# Altium PCB MotionController_DriverV1.1.PcbDoc (continued)
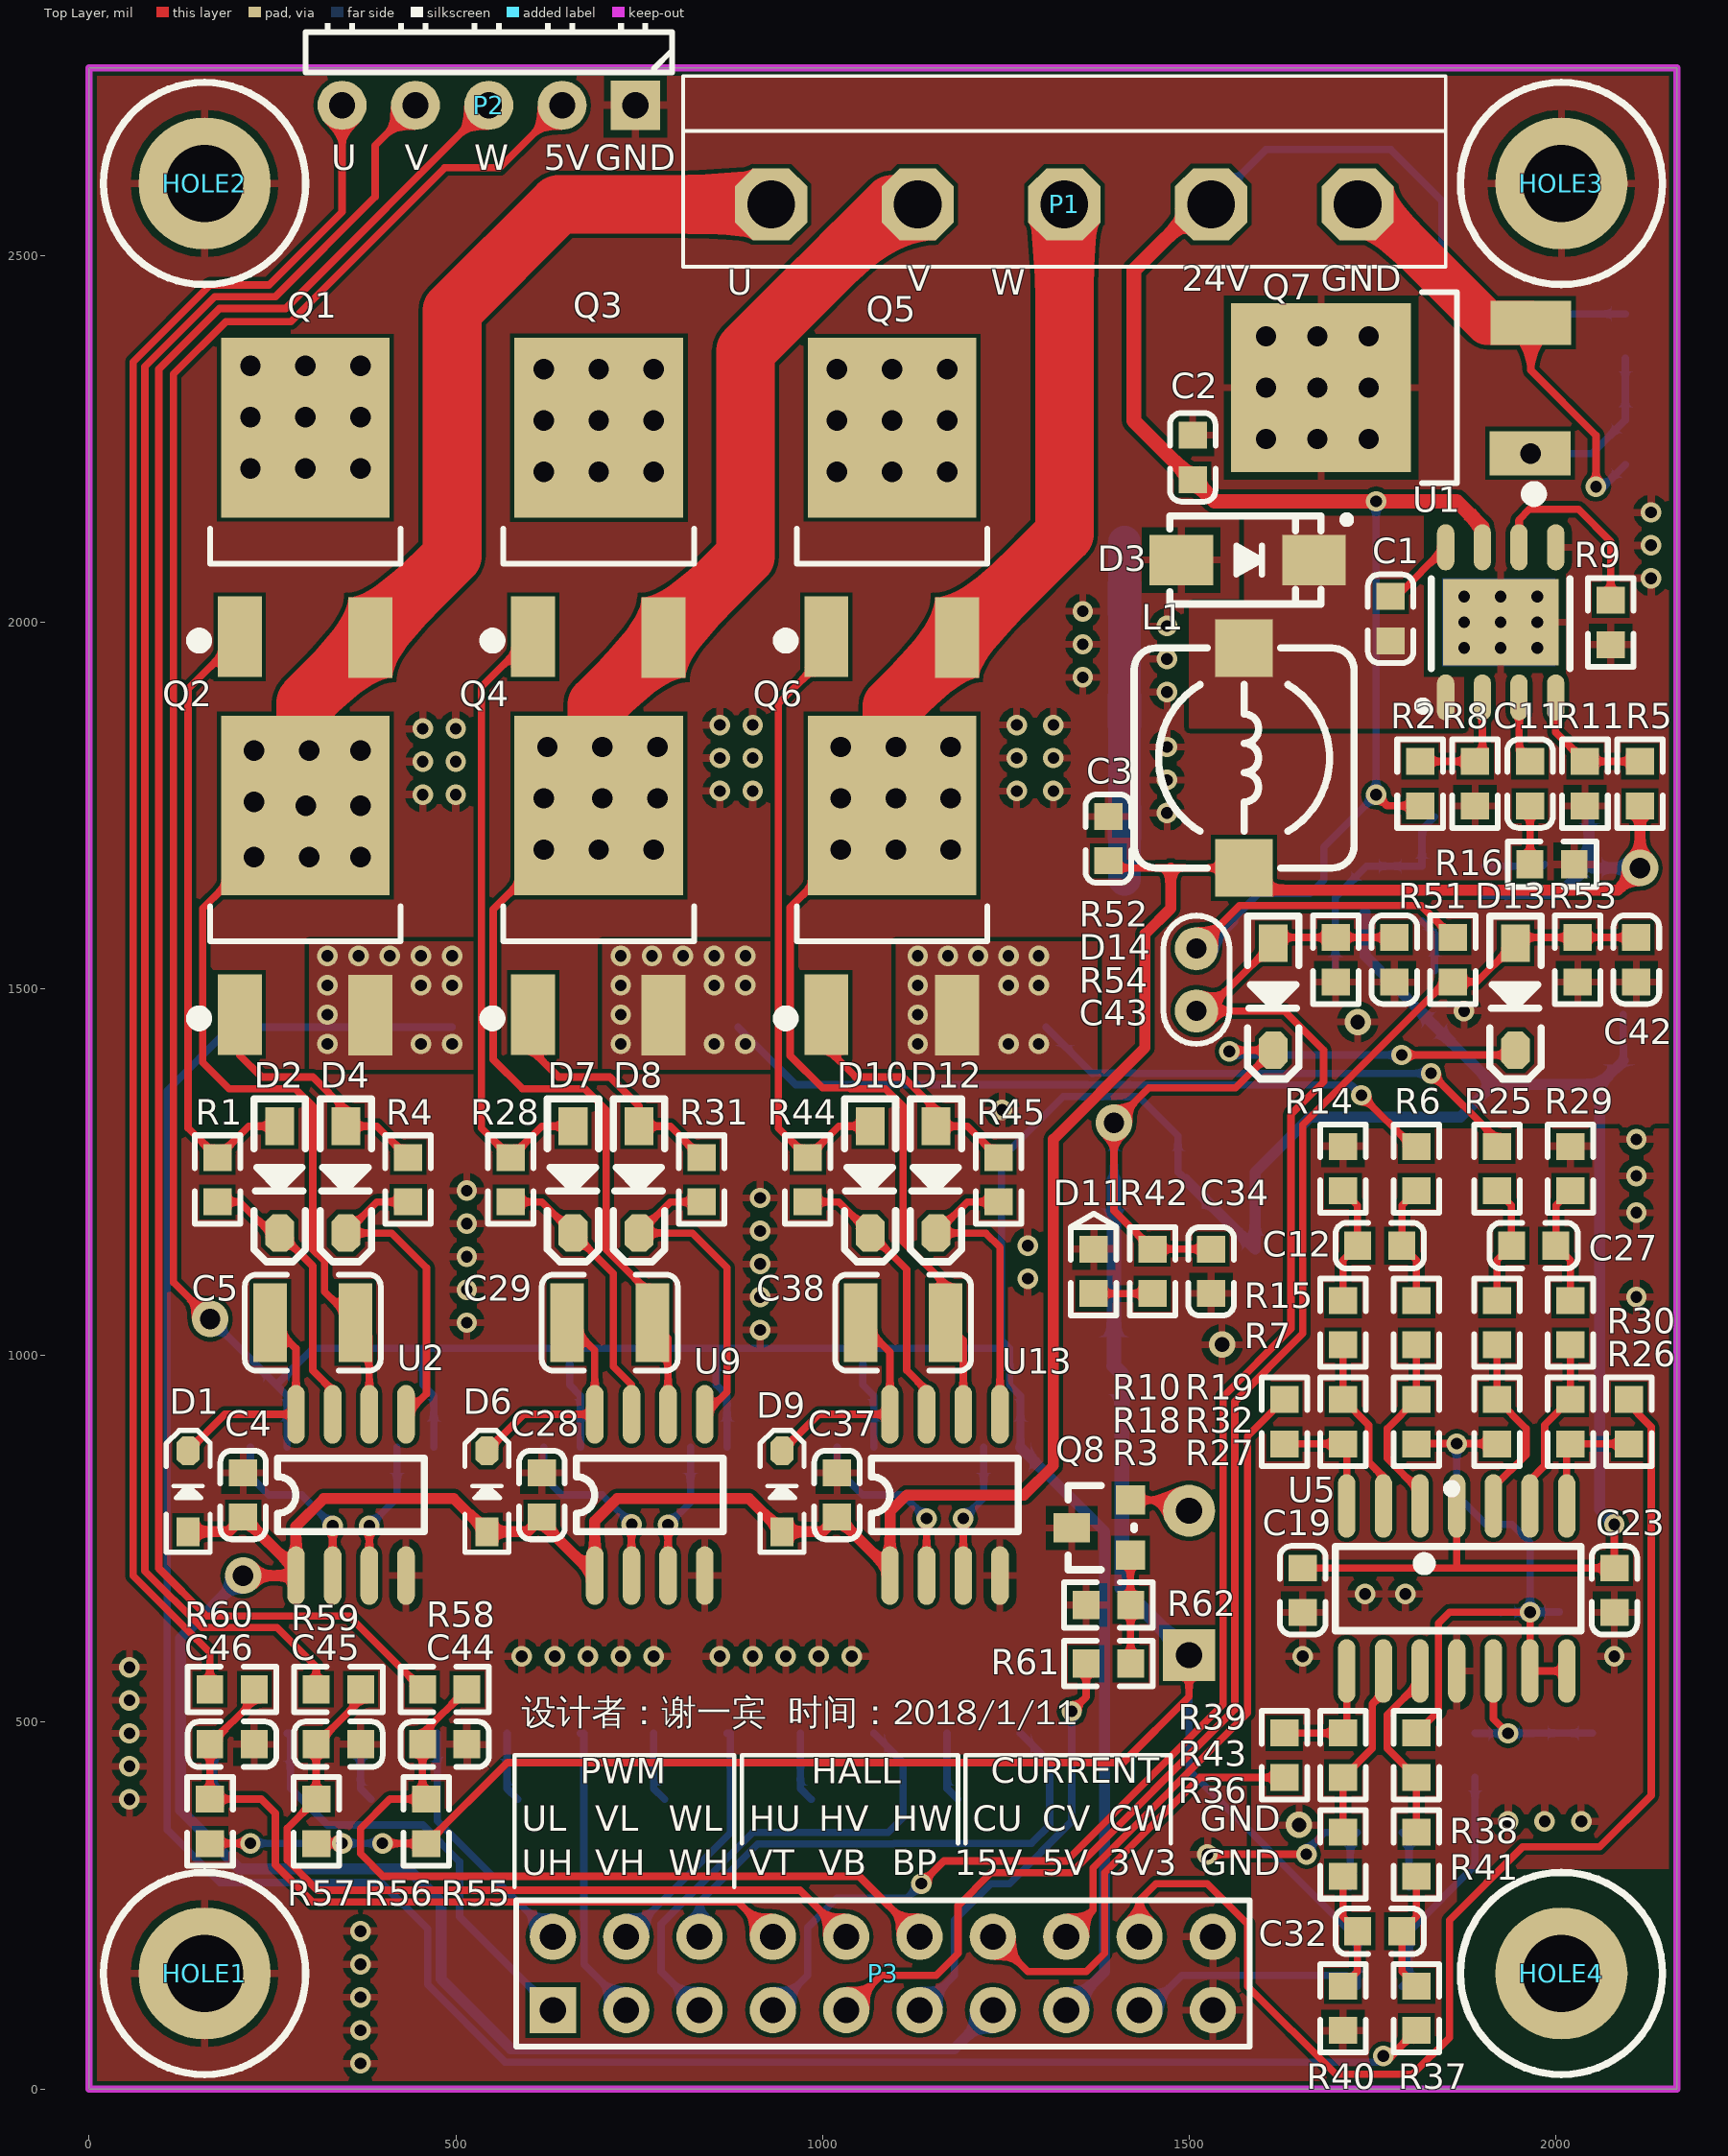
[diagram p0: Top Layer view]
## Footprints (in the part's own frame and the unit in brackets; to place one, negate y for a bottom-side part, rotate by r counter-clockwise, add the part's x,y. Pads: shape width x height; smd on the part's side, far side on the other; paste and mask are expansions set on the pad) (continued)
SMA [mm] "4.5x2.6*2.2mm（长宽高，不包括引脚）"
  rect 2.2x1.75 smd: 1(-2.3,0) 2(2.3,0)
  silkscreen extent -2.7,-1.52 3.56,1.52, body extent -2.53,-1.3 2.58,1.3, height 2.15
SOD-123F [mm] "2.7x1.6X1.1mm（长宽高，不包括引脚）"
  rect 1.3x1 smd: 1(-1.85,0)
  oct 1.3x1 smd: 2(1.85,0)
  silkscreen extent -2.79,-0.89 2.84,0.89, body extent -1.9,-0.8 1.9,0.8, height 1.15
SOD-323 [mm] "1.8x1.3X0.9mm（长宽高，不包括引脚）"
  rect 1x0.8 smd: 1(-1.4,0)
  oct 1x0.8 smd: 2(1.4,0)
  silkscreen extent -2.11,-0.76 2.11,0.76, body extent -1.34,-0.63 1.31,0.67, height 1
SOIC-8E [mm] "MP1591DN"
  oval 0.6x1.6 smd: 1(-1.905,-2.6) 2(-0.635,-2.6) 3(0.635,-2.6) 4(1.905,-2.6) 5(1.905,2.6) 6(0.635,2.6) 7(-0.635,2.6) 8(-1.905,2.6)
  rect 4x3 smd: 5(0,0)
  silkscreen extent -2.85,-3.05 2.4,1.5
SOIC-14_150mil [mm]
  oval 2.2x0.6 smd: 1(0,0) 2(0,-1.27) 3(0,-2.54) 4(0,-3.81) 5(0,-5.08) 6(0,-6.35) 7(0,-7.62) 8(5.715,-7.62) 9(5.715,-6.35) 10(5.715,-5.08) 11(5.715,-3.81) 12(5.715,-2.54) 13(5.715,-1.27) 14(5.715,0)
  silkscreen extent -0.75,-8.01 4.32,0.49
SOP-6 [mm]
  oval 2x0.76 smd: 1(0,0) 2(0,-1.27) 3(0,-2.54) 4(9.906,-2.54) 5(9.906,-1.27) 6(9.906,0)
  silkscreen extent -0.55,-3.27 8.24,1.13
SOP-8 [mil]
  oval 80x24 smd: 1(0,0) 2(0,-50) 3(0,-100) 4(0,-150) 5(220,-150) 6(220,-100) 7(220,-50) 8(220,0)
  silkscreen extent 60,-175 160,25, body extent -15,-173 235,24, height 74
SOT23 [mil]
  rect 40x40 smd: 1(4.88,0.63) 3(79.88,0.63)
  rect 40x50 smd: 2(41.88,80.63)
  silkscreen extent -15,-4 100,86, body extent -15,-11 99,99, height 47
SOT23-6 [mm] "SOT-23/SC-74A; 5 Leads; Body 3.1 x 3 mm, inc. leads (LxW max)"
  rect 0.55x1.45 smd: 1(0.95,1.075) 2(0,1.075) 3(-0.95,1.075) 4(-0.95,-1.075) 5(0,-1.075) 6(0.95,-1.075)
  silkscreen extent -1.55,-0.9 1.73,1.88, body extent -1.43,-1.2 1.49,1.14, height 1
SOT-223 [mil]
  rect 59x79 smd: 1(-88,-130) 2(2.55,-130) 3(93.1,-130)
  rect 150x79 smd: 4(1.88,123.54)
  silkscreen extent -137,-78 143,72, body extent -126,-139 130,135, height 67
Thermistor_MF52 [mm]
  round 1.5 hole 0.7: 1(0,0) 2(2.159,0)
  silkscreen extent -1.14,-1.14 3.3,1.14
TO252 [mil] "252晶体管"
  rect 60x110 smd: 1(-89.55,-119.77) 3(88.45,-120.77)
  rect 230x245 smd: 2(0,165.35)
  silkscreen extent -153,-133 130,28, body extent -128,-120 128,251, height 91

## Part data
C1 C2 C3 C4 C5 C9 C10 C11 C12 C13 C14 C15 C16 C17 C18 C19 C21 C22 C23 C27 C28 C29 C30 C31 C32 C37 C38 C39 C40 C41 C42 C43: library part C
C6 C7 C8: library part C+, "C+"
C20 C24 C25 C26 C33 C34 C35 C36: library part C, "C"
C44 C45 C46: library part Cap, "Capacitor"
D1 D2 D3 D4 D5 D6 D7 D8 D9 D10 D12 D13 D14: library part Dio, "D"
L1 L2: library part L, "L"
L3 L4: library part L_1, "L"
P1 P2: "Header, 5-Pin"
P3: "Header, 10-Pin, Dual row"
Q1 Q2 Q3 Q4 Q5 Q6 Q7: library part NMOS-2, "N-Channel Power MOSFET"
Q8: library part NPN_1, "NPN Bipolar Transistor"
R1 R2 R3 R4 R5 R6 R7 R8 R9 R10 R11 R12 R13 R14 R15 R16 R17 R18 R19 R20 R24 R25 R26 R27 R28 R29 R30 R31 R32 R33 R34 R35 R36 R37 R38 R39 R40 R41 R42 R43 R44 R45 R46 R47 R48 R49 R50 R51 R52 R53 R54 R55 R56 R57 R58 R59 R60 R61 R62: library part R
R21 R22 R23: library part R, "R"
U12: library part ASM1117, "3.3V稳压芯片"

## Via types
v1: diameter 28, hole 16, Top Layer to Bottom Layer, 145 vias
v2: diameter 50, hole 28, Top Layer to Bottom Layer, 68 vias
v3: diameter 36, hole 20, Top Layer to Bottom Layer, 3 vias

## Nets (pads, with @x,y where several pads share a name; then routed paths per layer and width w, separated by ;. In a path a pad name is that pad's centre, name@x,y a point inside that pad or via, vN(x,y) a via of type N, cw(c..) or ccw(c..) an arc to the next point about the centre after c; other vN are vias at no path point)
1.65V: C40.2 C41.2 R3.1 R19.1 R36.1 U5.13 U5.14 | length 905.6
  Top Layer w10: R36.1 1840,515.31 1840,635 1855,650 v1(1965,650) U5.13 U5.14 ; R3.1 1810.31,880 v1(1865,880) 1919.69,880 R19.1
  Bottom Layer w10: v1(1865,880) 1865,810 1905,770 1940,770 1965,745 v1(1965,650) ; C40.2 1925.32,650 v1(1965,650) ; C41.2 1965.39,650.39 v1(1965,650)
3V3_1: BEEP1.1 C34.2 C35.2 D13.2 D14.2 L3.1 P3.17 R42.2 R55.1 R56.1 R57.1 U12.2 U12.4 | length 4390.2
  Top Layer w10: R57.1 165.31,335 v1(220,335) ; R56.1 310.31,335 v1(345,335) ; v1(400,335) 400.31,334.69 R55.1 570.31,445 1410,445 1500,535 BEEP1.1 ; C34.2 R42.2 1397.55,1197.76 v2(1397.55,1317.45) 1445.1,1365 1563.46,1365 D14.2 1556.54,1416.54 v1(1555,1415) ; v1(1790,1410) 1938.46,1410 D13.2
  Bottom Layer w10: v1(220,335) v1(345,335) v1(400,335) ; U12.4 1396.88,1239.33 U12.2 v2(1397.55,1317.45) ; P3.17 1442.48,107.48 1490,155 1714.69,155 L3.1 1729.69,205 C35.2 1500,434.68 BEEP1.1 ; v1(1555,1415) 1560,1410 v1(1790,1410)
  Bottom Layer w20: U12.2 1397.55,987.12 U12.4 1408.5,974.84 1408.5,683.07 BEEP1.1
3V3A_1: C36.2 L3.2 R46.1 | length 326
  Bottom Layer w10: L3.2 1800,149.68 C36.2 1890,304.68 R46.1
5V_1: C9.2 C10.2 C19.2 C21.2 C22.2 C23.2 C24.2 C26.2 C30.2 C31.2 C33.2 L2.2 P2.2 P3.15 R22.1 U3.6 U4.6 U5.4 U6.6 U7.6 U10.6 U11.6 U12.3 | length 7755.8
  Top Layer w10: v2(165,1050) 115,1100 115,2338.41 186.59,2410 275,2410 485,2620 560,2620 P2.2 ; C19.2 1867.5,710.32 ; U5.4 1865,712.82 1867.5,710.32 ; v1(2080,770) C23.2 1867.5,710.32
  Bottom Layer w10: v2(165,1050) 189.68,1025.32 190,1025.32 C9.2 ; U3.6 270,945.32 C9.2 ; U4.6 470,945.32 C10.2 455.32,1009.68 455,1010 ; U7.6 670,945.32 C31.2 655.32,1005.32 660,1010 ; U6.6 870,945.32 C21.2 855.32,1009.68 855,1010 ; U10.6 1070,945.32 C22.2 1055.32,1004.68 1050,1010 ; U11.6 1270,945.32 C30.2 1255.32,1010 1245,1020.32 ; U12.3@1495.32,1240 1485,1250.32 1485,1300 1432,1353 1412.91,1353 1412.46,1353.45 1382.64,1353.45 1382.19,1353 1354.7,1353 1354.25,1353.45 1328.45,1353.45 1244.1,1269.1 1244.1,1021.22 1245,1020.32 ; C26.2@1760.32,1524.37 C26.2 ; L2.2@2092.24,1402.24 L2.2 ; C9.2 305.32,1010 455,1010 ; 455,1010 660,1010 ; 660,1010 855,1010 ; 855,1010 1050,1010 ; 1050,1010 1245,1010 1245,1020.32
  Bottom Layer w15: U11.6 1385,760 1385,160 P3.15 ; U12.3@1495.32,1240 C33.2 1590,1250 1665.32,1325.32 1870,1325.32 1914.68,1370 ; R22.1 1740,1545.32 C26.2 ; C26.2@1760.32,1524.37 C24.2 1914.68,1370 ; v1(2080,770) 2060,790 2060,1370 ; L2.2@2092.24,1402.24 2060,1370 ; 1914.68,1370 2060,1370
15V_1: C3.1 C4.2 C25.1 C28.2 C37.2 D1.1 D6.1 D9.1 L1.2 P3.13 R5.1 R23.1 U2.1 U8.5 U9.1 U13.1 | length 5401.3
  Top Layer w10: C3.1 1399.69,1665 1475,1665 L1.2 L1.2@1605,1635
  Top Layer w15: D1.1 190.2,759.88 C4.2 U2.1@282.09,707.6 ; v2(210,700) U2.1 U2.1@282.09,707.6 ; U13.1 U13.1@1092.09,707.6 ; 1475,1665 1475,1610 1440,1575 1440,1420 1315,1295 1315,850 1275,810 1115,810 1092.09,787.09 U13.1@1092.09,707.6 ; L1.2@1605,1635 2085,1635 v2(2115,1665) R5.1 ; U2.1@282.09,707.6 282.09,767.09 320,805 497.38,805 D6.1 597.7,759.88 C28.2 617.5,772.09 U9.1 689.59,774.59 720,805 899.88,805 D9.1 1000.2,759.88 C37.2 U13.1@1092.09,707.6
  Bottom Layer w10: R23.1 R23.1@2050.31,1665
  Bottom Layer w15: v2(210,700) 125,615 125,380 205,300 435,300 480,255 480,150 575,55 1180.2,55 P3.13@1232.68,107.48 ; U8.5 2005.32,1630 R23.1 C25.1 ; R23.1@2050.31,1665 v2(2115,1665)
24V: C2.2 C6.1 C7.1 C8.1 C13.2 C14.2 C15.2 C16.2 C17.2 C18.2 P1.4 Q1.2 Q3.2 Q5.2 R2.1 R50.1 R51.2 R52.2 U1.7 | length 3358.7
  Top Layer w10: Q3.2@675,2267.68 Q3.2@677.68,2265 ; Q3.2@675,2275 Q3.2@682.32,2267.68 ; Q5.2@1075,2267.68 Q5.2@1077.68,2265 ; Q5.2@1075,2275 Q5.2@1082.32,2267.68 ; Q5.2@1115,2260 Q5.2@1115,2265 ; R52.2 1569,1614 1816.32,1614 R51.2 ; v1(1755,1765) 1770.31,1749.69 R2.1
  Top Layer w20: P1.4 1515,2570 1424.68,2479.68 1424.68,2275 C2.2 1534.68,2165 v1(1755,2165) 1865,2165 1900,2130 U1.7
  Bottom Layer w10: R52.2 1525.01,1555 1561.91,1591.9 1561.91,1596.91 1595,1630 1665,1630 1683.69,1648.69 1683.69,1693.69 v1(1755,1765) v1(1755,2165) ; P1.4 1605,2645 1775,2645 1845,2575 1845,2495 1919.37,2420.63 R50.1
  Bottom Layer w45: C16.2 C13.2 C17.2 C18.2
  other v2: 620,2205 695,2205 770,2205 1020,2205 1095,2205 1170,2205 220,2210 295,2210 370,2210 620,2275 695,2275 770,2275 1020,2275 1095,2275 1170,2275 220,2280 295,2280 370,2280 620,2345 695,2345 770,2345 1020,2345 1095,2345 1170,2345 220,2350 295,2350 370,2350
AGND_1: C19.1 C23.1 C36.1 C39.1 C40.1 C41.1 L4.2 R14.2 R29.2 R40.2 R49.2 U5.11 | length 78.7
  Bottom Layer w10: L4.2 1800,340.32 C36.1
  other v1: 1935,365 1985,365 2035,365 1655,590 2080,590 1740,675 1795,675 2110,1080 2110,1195 2110,1245 2110,1295
  other v3: 1650,360
BEEP_1: P3.11 R61.2 | length 581.2
  Top Layer w10: v1(1340,515) 1359.68,534.68 R61.2
  Bottom Layer w10: P3.11@1132.68,107.48 1180,154.8 1180,230 1230,280 1255,280 1340,365 v1(1340,515)
CURRENT_U: Q2.3 R17.2 R37.2 | length 3336.7
  Top Layer w10: v1(1765,45) 1775.32,45 R37.2
  Bottom Layer w10: R17.2 192.95,1447.95 106.5,1361.5 106.5,353.5 178.5,281.5 398.5,281.5 461.5,218.5 461.5,142.34 567.34,36.5 1766.5,36.5 1765,38 v1(1765,45)
  other v1: 325,1425 452.5,1425 495,1425 325,1465 325,1505 452.5,1505 495,1505 325,1545 367.5,1545 410,1545 452.5,1545 495,1545
CURRENT_U_AMP_1: P3.14 R39.1 | length 591.1
  Top Layer w10: P3.14@1232.68,207.48 1280.16,160 1360,160 1385,185 1385,295 1514.69,424.69 R39.1
CURRENT_V: Q4.3 R6.2 R35.2 | length 992.7
  Top Layer w10: v1(1735,1355) 1804.68,1285.32 R6.2
  Bottom Layer w10: R35.2@885,1447.95 901.48,1431.48 963.5,1369.45 1360.88,1369.45 1361.33,1369 1375.56,1369 1376.01,1369.45 1419.09,1369.45 1419.54,1369 1721,1369 v1(1735,1355)
  other v1: 725,1425 852.5,1425 895,1425 725,1465 725,1505 852.5,1505 895,1505 725,1545 767.5,1545 810,1545 852.5,1545 895,1545
CURRENT_V_AMP_1: P3.16 R10.1 | length 856
  Top Layer w10: P3.16@1332.68,207.48 1369,243.8 1369,301.63 1580,512.63 1580,890.31 R10.1
CURRENT_W: Q6.3 R25.2 R48.2 | length 688.4
  Top Layer w10: v1(1830,1385) 1920,1295 R25.2
  Bottom Layer w10: R48.2@1305,1447.95 1367.95,1385 1368.94,1385 1369.38,1385.45 1425.72,1385.45 1426.17,1385 v1(1830,1385)
  other v1: 1130,1425 1253.75,1425 1295,1425 1130,1465 1130,1505 1253.75,1505 1295,1505 1130,1545 1171.25,1545 1212.5,1545 1253.75,1545 1295,1545
CURRENT_W_AMP_1: P3.18 R27.1 | length 1728.9
  Top Layer w10: P3.18@1432.68,207.48 1432.68,257.68 1455,280 1525,280 1580,225 1580,140 1700,20 1805,20 1855,70 1855,230 1955,330 2060,330 2130.29,400.29 2130.29,902.55 2092.52,940.31 R27.1
DC_GND: P1.5 Q7.3 R47.2 | length 615.7
  Top Layer w10: Q7.3 1966.13,2343.87 2055,2255 v1(2055,2185)
  Top Layer w60: P1.5 1745,2570 1906.55,2408.45 Q7.3
  Bottom Layer w10: v1(2055,2185) 2065,2185 R47.2
GND_1: C2.1 C3.2 C4.1 C6.2 C7.2 C8.2 C9.1 C10.1 C13.1 C14.1 C15.1 C16.1 C17.1 C18.1 C21.1 C22.1 C24.1 C25.2 C28.1 C30.1 C31.1 C33.1 C34.1 C35.1 C37.1 C42.2 C43.2 C44.1 C45.1 C46.1 D3.1 D5.1 D11.2 HOLE1.1 HOLE2.1 HOLE3.1 HOLE4.1 L4.1 P2.1 P3.19 P3.20 Q7.2 Q8.2 R8.2 R9.1 R11.2 R12.1 R13.1 R16.1 R17.1 R20.1 R21.1 R24.1 R33.1 R34.1 R35.1 R48.1 R53.1 R54.1 R62.2 U1.5 U2.4 U3.4 U4.4 U6.4 U7.4 U8.2 U9.4 U10.4 U11.4 U12.1 U13.4 | length 298.7
  Top Layer w10: v1(1525,320) v1(1660,320)
  Bottom Layer w10: v1(1660,320) 1660,325 1685,350 L4.1 1720,340.31 C35.1
  other v1: 370,35 370,80 370,125 370,170 370,215 55,395 55,440 55,485 55,530 55,575 590,590 635,590 680,590 725,590 770,590 860,590 905,590 950,590 995,590 1040,590 915,1035 515,1045 915,1080 515,1090 1280,1105 915,1125 515,1135 1280,1150 915,1170 515,1180 915,1215 515,1225 1245,1335 1875,1470 1470,1740 455,1765 500,1765 860,1770 905,1770 1265,1770 1315,1770 1470,1785 455,1810 500,1810 860,1815 905,1815 1265,1815 1315,1815 1470,1830 455,1855 500,1855 860,1860 905,1860 1265,1860 1315,1860 1470,1905 1355,1925 1470,1950 1875,1965 1925,1965 1975,1965 1355,1970 1470,1995 1875,2000 1925,2000 1975,2000 1355,2015 1875,2035 1925,2035 1975,2035 2130,2060 2130,2105 2130,2150
  other v2: 1605,2250 1675,2250 1745,2250 1605,2320 1675,2320 1745,2320 1605,2390 1675,2390 1745,2390
  other v3: 1545,1015 1730,1455
HALL_U_T3_1: C46.2 P3.8 R57.2 R60.2 | length 1046.5
  Top Layer w10: R57.2@164.69,410.31 C46.2 225.32,530.63 R60.2 ; R57.2 234.68,395.32 254,376 254,305.68 304.68,255 885.16,255 P3.8@932.68,207.48
HALL_V_T3_1: C45.2 P3.10 R56.2 R59.2 | length 1080.8
  Top Layer w10: R56.2 R56.2@309.69,395 ; R59.2 370.32,530.63 C45.2 R56.2@309.69,395 ; P3.10@1032.68,207.48 969.16,271 311.31,271 270,312.31 270,355.32 R56.2@309.69,395
HALL_W_T3_1: C44.2 P3.12 R55.2 R58.2 | length 1125.2
  Top Layer w10: R55.2 R55.2@454.69,395.32 ; R58.2 454.69,484.37 C44.2 R55.2@454.69,395.32 ; P3.12@1132.68,207.48 1050.16,290 401,290 370,321 370,355 410.32,395.32 R55.2@454.69,395.32
HU: P2.5 R60.1 | length 2368.6
  Top Layer w10: R60.1 164.69,595.31 147,613 146.75,613 60,699.75 60,2355.25 164.75,2460 245,2460 345,2560 P2.5
HV: P2.4 R59.1 | length 2518.2
  Top Layer w10: R59.1 309.69,575.31 256,629 153.37,629 76,706.37 76,2348.63 171.37,2444 254,2444 390,2580 390,2650 P2.4
HW: P2.3 R58.1 | length 2662.1
  Top Layer w10: R58.1 354.69,645 160,645 95,710 95,2345 178,2428 268,2428 P2.3
NetBEEP1_2: BEEP1.2 Q8.3 | length 86
  Top Layer w10: Q8.3 1485.43,803 BEEP1.2
NetC1_1: C1.1 D3.2 L1.1 U1.1 | length 5.9
  Top Layer w10: D3.2@1670.55,2079.13 D3.2
NetC1_2: C1.2 U1.8 | length 102.8
  Top Layer w10: C1.2 1782.95,2035.32 U1.8
NetC5_2: C5.2 D1.2 U2.8 | length 307.3
  Top Layer w10: D1.2 184.88,920 U2.8 282.09,1009.84 C5.2
NetC11_1: C11.1 U1.3 | length 93.5
  Top Layer w10: U1.3 1950,1825.31 C11.1
NetC11_2: C11.2 R16.2 | length 79.8
  Top Layer w10: R16.2 1965,1670.32 C11.2
NetC12_1: C12.1 R14.1 R15.2 | length 165.7
  Top Layer w10: R15.2 1710,1130.31 C12.1 1729.69,1205 R14.1
NetC12_2: C12.2 R6.1 R7.2 | length 165.7
  Top Layer w10: R7.2 1810,1130.32 C12.2 1790.32,1205 R6.1
NetC20_1: C20.1 D5.2 L2.1 U8.6
NetC20_2: C20.2 U8.1 | length 74.6
  Bottom Layer w10: U8.1 1834.68,1575.59 C20.2
NetC26_1: C26.1 R21.2 R22.2 U8.3 | length 310.2
  Bottom Layer w10: C26.1 1699.69,1625 R22.2 1742.09,1667.4 U8.3 1817.68,1717.99 R21.2
NetC27_1: C27.1 R29.1 R30.2 | length 165.7
  Top Layer w10: R30.2 2020,1130.31 C27.1 2000.31,1205 R29.1
NetC27_2: C27.2 R25.1 R26.2 | length 165.7
  Top Layer w10: R26.2 1920,1130.32 C27.2 1939.68,1205 R25.1
NetC29_2: C29.2 D6.2 U9.8 | length 308.3
  Top Layer w10: D6.2 592.38,920 U9.8 689.59,1007.34 C29.2
NetC32_1: C32.1 R40.1 R41.2 | length 165.7
  Top Layer w10: R40.1 1729.69,160 C32.1 1710,234.69 R41.2
NetC32_2: C32.2 R37.1 R38.2 | length 165.7
  Top Layer w10: R37.1 1790.32,160 C32.2 1810,234.68 R38.2
NetC38_2: C38.2 D9.2 U13.8 | length 309.4
  Top Layer w10: D9.2 994.88,920 U13.8 1092.09,1004.84 C38.2
NetC39_2: C39.2 R46.2 R49.1 U5.12 | length 253.5
  Top Layer w10: U5.12 1915,505 v1(1935,485)
  Bottom Layer w10: R46.2 1890.32,485 v1(1935,485) 1969.69,485 R49.1 C39.2
NetD2_1: D2.1 Q1.1 R1.2 | length 857.9
  Top Layer w10: Q1.1@205.45,1979.87 135,1909.43 135,1310.32 R1.2 217.52,1312.83 D2.1
NetD2_2: D2.2 R1.1 U2.7 | length 379.6
  Top Layer w10: R1.1 205.31,1209.69 247.83,1167.17 D2.2 305,1122.17 305,980 332.09,952.91 U2.7
NetD4_1: D4.1 Q2.1 R4.2 | length 355.5
  Top Layer w10: Q2.1@205.45,1464.87 205.45,1409.55 235,1380 305,1380 350,1335 D4.1 392.48,1312.83 R4.2
NetD4_2: D4.2 R4.1 U2.5 | length 443.7
  Top Layer w10: U2.5 460,947.91 460,1120 412.83,1167.17 D4.2 392.52,1209.69 R4.1
NetD7_1: D7.1 Q3.1 R28.2 | length 856.9
  Top Layer w10: Q3.1@602.95,1979.87 535,1911.93 535,1310.32 R28.2 617.52,1312.83 D7.1
NetD7_2: D7.2 R28.1 U9.7 | length 382.7
  Top Layer w10: R28.1 617.48,1209.69 D7.2 715,1112.17 715,985 739.59,960.41 U9.7
NetD8_1: D8.1 Q4.1 R31.2 | length 356.6
  Top Layer w10: Q4.1@602.95,1464.87 602.95,1417.05 640,1380 710,1380 750,1340 D8.1 792.48,1312.83 R31.2
NetD8_2: D8.2 R31.1 U9.5 | length 454.7
  Top Layer w10: R31.1 792.52,1209.69 D8.2 822.83,1167.17 870,1120 870,950.41 U9.5
NetD10_1: D10.1 Q5.1 R44.2 | length 859.1
  Top Layer w10: Q5.1@1025.45,1974.87 940,1889.43 940,1310.32 R44.2 1022.52,1312.83 D10.1
NetD10_2: D10.2 R44.1 U13.7 | length 381.7
  Top Layer w10: R44.1 1022.48,1209.69 D10.2 1115,1117.17 1115,980 1142.09,952.91 U13.7
NetD11_1: D11.1 R42.1 | length 80
  Top Layer w10: D11.1 R42.1
NetD12_1: D12.1 Q6.1 R45.2 | length 350
  Top Layer w10: Q6.1@1005.45,1460.23 1005.45,1419.55 1045,1380 1110,1380 1155,1335 D12.1 1197.48,1312.83 R45.2
NetD12_2: D12.2 R45.1 U13.5 | length 425.6
  Top Layer w10: R45.1 1197.52,1209.69 D12.2 1222.83,1167.17 1242.09,1147.91 U13.5
NetQ7_1: Q7.1 R47.1 R50.2 | length 233.3
  Top Layer w10: Q7.1 v2(1965.57,2230)
  Bottom Layer w10: v2(1965.57,2230) 2049.37,2230 R47.1 R50.2
NetQ8_1: Q8.1 R61.1 R62.1 | length 148.1
  Top Layer w10: Q8.1 1420,660.31 R62.1 R61.1
NetR2_2: R2.2 R8.1 U1.2 | length 166.5
  Top Layer w10: R2.2 R8.1 1900,1820.31 U1.2
NetR3_2: R3.2 R7.1 U5.5 | length 254.9
  Top Layer w10: R7.1 R3.2 1770,900.32 1770,860 1815,815 U5.5
NetR5_2: R5.2 R11.1 U1.4 | length 178.9
  Top Layer w10: U1.4 2000,1850.31 R11.1 R5.2
NetR9_2: R9.2 U1.6 | length 266.3
  Top Layer w10: U1.6 1950,2140 1964,2154 2031,2154 2075,2110 R9.2
NetR10_2: R10.2 R18.2 U5.7 | length 166.8
  Top Layer w10: R10.2 R18.2 1715,874.68 U5.7
NetR12_2: R12.2 U3.3 | length 96.1
  Bottom Layer w10: U3.3 170,409.68 R12.2
NetR13_2: R13.2 U4.3 | length 96.1
  Bottom Layer w10: U4.3 370,409.68 R13.2
NetR15_1: R15.1 R18.1 U5.6 | length 242.5
  Top Layer w10: R15.1 R18.1 1745,905.31 1745,855 1765,835 U5.6
NetR19_2: R19.2 R26.1 U5.3 | length 254.9
  Top Layer w10: U5.3 1915,820 1960,865 1960,900.32 R19.2 R26.1
NetR20_2: R20.2 U6.3 | length 96.1
  Bottom Layer w10: U6.3 770,409.68 R20.2
NetR23_2: R23.2 U8.4 | length 83.4
  Bottom Layer w10: U8.4 1982.09,1667.4 R23.2
NetR24_2: R24.2 U7.3 | length 96.1
  Bottom Layer w10: U7.3 570,409.68 R24.2
NetR27_2: R27.2 R32.2 U5.1 | length 166.8
  Top Layer w10: U5.1 2015,874.68 R32.2 R27.2
NetR30_1: R30.1 R32.1 U5.2 | length 242.5
  Top Layer w10: U5.2 1965,830 1985,850 1985,905.31 R32.1 R30.1
NetR33_2: R33.2 U10.3 | length 96.1
  Bottom Layer w10: U10.3 970,409.68 R33.2
NetR34_2: R34.2 U11.3 | length 96.1
  Bottom Layer w10: U11.3 1170,409.68 R34.2
NetR36_2: R36.2 R38.1 U5.10 | length 254.9
  Top Layer w10: R38.1 R36.2 1770,464.68 1770,510 1815,555 U5.10
NetR39_2: R39.2 R43.2 U5.8 | length 166.8
  Top Layer w10: R39.2 R43.2 1715,490.32 U5.8
NetR41_1: R41.1 R43.1 U5.9 | length 242.5
  Top Layer w10: R41.1 R43.1 1750,464.69 1750,525 1765,540 U5.9
PHASE_U: C5.1 P1.1 Q1.3 Q2.2 U2.6 | length 2288.2
  Top Layer w10: v2(295.35,1750) 295,1750 v2(225,1680) 155,1610 155,1400 191,1364 281,1364 305,1340 305,1144.79 321,1128.79 321,1087.07 C5.1 382.09,1025.98 U2.6
  Top Layer w80: v2(295.35,1750) Q2.2 295,1890.43 495,2090.43 495,2425 640,2570 P1.1
  other v2: 300,1680 370,1680 370,1750 225,1755 225,1825 300,1825 370,1825
PHASE_V: C29.1 P1.2 Q3.3 Q4.2 U9.6 | length 2058.9
  Top Layer w10: Q4.2@692.5,1750 551,1608.5 551,1404 591,1364 676,1364 705,1335 705,1145 768.07,1081.93 C29.1 789.59,1023.48 U9.6
  Top Layer w80: Q4.2@692.5,1750 692.5,1887.5 895,2090 895,2370 1095,2570 P1.2
  other v2: 620,1690 695,1690 770,1690 620,1760 700,1760 775,1760 625,1830 700,1830 775,1830
PHASE_W: C38.1 P1.3 Q5.3 Q6.2 U13.6 | length 1952.5
  Top Layer w10: Q6.2 956,1611.35 956,1409 1000,1365 1037.37,1365 1038.37,1364 1086,1364 1110,1340 1110,1155 1168.07,1096.93 C38.1 1192.09,1020.98 U13.6
  Top Layer w80: Q6.2 1095,1885.43 1330,2120.43 P1.3
  other v2: 1025,1690 1100,1690 1175,1690 1025,1760 1100,1760 1175,1760 1025,1830 1100,1830 1175,1830
PWM_U_H_T1_1: P3.1 U3.1 | length 606.6
  Bottom Layer w10: U3.1 274.62,485 274.62,410.38 325,360 455,360 505.16,309.84 505.16,235 P3.1@632.68,107.48
PWM_U_L_T1_1: P3.2 U4.1 | length 347.6
  Bottom Layer w10: U4.1 474.62,485 474.62,365.54 P3.2@632.68,207.48
PWM_V_H_T1_1: P3.3 U7.1 | length 406.2
  Bottom Layer w10: U7.1 674.62,485 674.62,230.81 675.17,230.26 675.17,169.83 732.68,112.32 P3.3@732.68,107.48
PWM_V_L_T1_1: P3.4 U6.1 | length 340.9
  Bottom Layer w10: P3.4@732.68,207.48 874.62,349.43 874.62,485 U6.1
PWM_W_H_T1_1: P3.5 U10.1 | length 661
  Bottom Layer w10: P3.5@832.68,107.48 780,160.16 780,225 905,350 1090,350 1110,370 1110,445 U10.1
PWM_W_L_T1_1: P3.6 U11.1 | length 709.9
  Bottom Layer w10: P3.6@832.68,207.48 832.68,255.05 911.63,334 1096.63,334 1097.63,335 1285,335 1310,360 1310,445 U11.1
U_H: U2.2 U3.5 | length 247.8
  Top Layer w10: U2.2 v1(332.09,767.91)
  Bottom Layer w10: U3.5 220,835 245,810 290,810 v1(332.09,767.91)
U_L: U2.3 U4.5 | length 190.7
  Top Layer w10: U2.3 v1(382.09,767.91)
  Bottom Layer w10: v1(382.09,767.91) 420,805.83 U4.5
V_BUS_1: C42.1 D13.1 P3.9 R51.1 R53.2 | length 2134.2
  Top Layer w10: P3.9@1032.68,107.48 1080.2,155 1155,155 1185,185 1185,250 1230,295 1339.75,295 1562.43,517.69 1562.43,937.43 1655,1030 1655,1315 1849.69,1509.69 R51.1 1892.48,1509.69 D13.1 1953.11,1570.32 R53.2 C42.1
V_H: U7.5 U9.2 | length 257.1
  Top Layer w10: U9.2 739.59,769.59 v1(740,770)
  Bottom Layer w10: U7.5 620,835 645,810 700,810 v1(740,770)
V_L: U6.5 U9.3 | length 187.6
  Top Layer w10: U9.3 v1(789.59,769.59)
  Bottom Layer w10: v1(789.59,769.59) 820,800 U6.5
V_THERMAL_1: C43.1 D14.1 P3.7 R52.1 R54.2 | length 2268
  Top Layer w10: v1(1135,280) 1166,311 1333.12,311 1546.43,524.32 1546.43,944.06 1639,1036.63 1639,1329 1683.51,1373.51 1683.51,1416.49 1630,1470 R52.1@1522.8,1470 ; R52.1 R52.1@1522.8,1470 ; C43.1 R54.2 1623.11,1570.32 D14.1 R52.1@1522.8,1470
  Bottom Layer w10: P3.7@932.68,107.48 980,154.8 980,220 1020,260 1115,260 v1(1135,280)
W_H: U10.5 U13.2 | length 257.8
  Top Layer w10: U13.2 v1(1142.09,777.91)
  Bottom Layer w10: U10.5 1020,845 1055,810 1110,810 v1(1142.09,777.91)
W_L: U11.5 U13.3 | length 186.6
  Top Layer w10: U13.3 v1(1192.09,777.91)
  Bottom Layer w10: v1(1192.09,777.91) 1220,805.83 U11.5
pads on no net: U3.2 U4.2 U6.2 U7.2 U10.2 U11.2

## Polygon pours and split planes (outlines as drawn)
24V on Bottom Layer "24V_L02_P038" (solid, remove dead copper, pour order 38): 1400,2745 1599.69,2745 1600,2744.69 1600,2485 1475,2485 1460,2470 1460,2080 1460,2070 1455,2075 1383.18,2075
CURRENT_W on Bottom Layer "Bottom Layer-No Net" (solid, remove dead copper, pour order 30): 1100,1390 1375,1390 1375,1565 1100,1565
CURRENT_V on Bottom Layer "Bottom Layer-No Net" (solid, remove dead copper, pour order 26): 700,1390 930,1390 975,1390 975,1565 700,1565
CURRENT_U on Bottom Layer "Bottom Layer-No Net" (solid, remove dead copper, pour order 22): 300,1390 575,1390 575,1565 300,1565
AGND_1 on Bottom Layer "Bottom Layer-No Net" (solid, remove dead copper, pour order 18): 1585.29,5.38 2165.65,5.38 2165.65,1310.38 1585.29,1310.38
NetC20_1 on Bottom Layer "Bottom Layer-No Net" (solid, remove dead copper, pour order 14): 1870,1610 2045,1610 2045,1385 1925,1385 1920,1390 1920,1495 1870,1495
24V on Bottom Layer "Bottom Layer-No Net" (solid, remove dead copper, pour order 8): 75,2080 80,2075 1155,2075 1445,2075 1445,2485 1310,2485 1310,2465 75,2465
GND_1 on Bottom Layer "GND_1_L02_P056" (solid, remove dead copper, pour order 56): 0,2755.91 2165.35,2755.91 2165.35,0 0,0
CURRENT_W on Top Layer "Bottom Layer-No Net" (solid, remove dead copper, pour order 28): 1100,1565 1100,1390 1375,1390 1375,1565
CURRENT_V on Top Layer "Bottom Layer-No Net" (solid, remove dead copper, pour order 24): 700,1390 975,1390 975,1565 700,1565
CURRENT_U on Top Layer "Bottom Layer-No Net" (solid, remove dead copper, pour order 20): 350,1405 575,1405 575,1565 300,1565 300,1390 575,1390 575,1405
AGND_1 on Top Layer "Bottom Layer-No Net" (solid, remove dead copper, pour order 16): 1585.29,4.69 2165.65,4.69 2165.65,1309.69 1585.29,1309.69
NetC1_1 on Top Layer "Bottom Layer-No Net" (solid, remove dead copper, pour order 12): 1875,1925 1875,1855 1525,1855 1500,1855 1500,2025 1575,2025 1575,2145 1820,2145 1820,1925
GND_1 on Top Layer "GND_1_L01_P054" (solid, remove dead copper, pour order 54): 0,2755.91 2165.35,2755.91 2165.35,0 0,0

## Keep-outs
Keep-Out Layer:
  lines w10: 12730,5645 12735,5650 ; 0,0 0,2755.91 2165.35,2755.91 2165.35,0 0,0

## Other copper
Top Layer:
  pour cut-out: 2154.14,11.22 2154.14,299.14 2155,300 1865,300 1865,11.22
Bottom Layer:
  rectangle net GND_1: 1845,1940 2000,2060
  rectangle net GND_1: 1570,2215 1785,2425
  pour cut-out: 2154.14,11.22 2154.14,300.39 2153.75,300 1865,300 1865,10

## Silkscreen, mask and mechanical layers (free items; w line width, h text height)
Top Overlay:
  lines w6: 580,275 580,385 580,455 850,455 880,455 880,275 ; 890,335 890,455 1185,455 1185,335 ; 1195,335 1195,455 1475,455 1475,335
  text "U" at 330,2605 h60
  text "V" at 430,2605 h60
  text "W" at 525,2605 h60
  text "5V" at 620,2605 h60
  text "GND" at 690,2605 h60
  text "V" at 1115,2440 h60
  text "24V" at 1490,2440 h60
  text "GND" at 1680,2440 h60
  text "U" at 870,2435 h60
  text "W" at 1230,2435 h60
  text "设计者：谢一宾  时间：2018/1/11" at 590,485 h60
  text "CURRENT" at 1230,405.56 h60
  text "PWM" at 670,405 h60
  text "HALL" at 985,405 h60
  text "UL" at 590,340 h60
  text "VL" at 690,340 h60
  text "WL" at 790,340 h60
  text "HU" at 900,340 h60
  text "HV" at 995,340 h60
  text "HW" at 1095,340 h60
  text "CU" at 1205,340 h60
  text "CV" at 1300,340 h60
  text "CW" at 1390,340 h60
  text "GND" at 1515,340 h60
  text "UH" at 590,280 h60
  text "VH" at 690,280 h60
  text "WH" at 790,280 h60
  text "VT" at 900,280 h60
  text "VB" at 995,280 h60
  text "BP" at 1095,280 h60
  text "15V" at 1180,280 h60
  text "5V" at 1300,280 h60
  text "3V3" at 1390,280 h60
  text "GND" at 1515,280 h60
Bottom Overlay:
  text "INFO-DRIVEN" at 2020,1130 h60
Top Solder:
  rectangle: 1100,1390 1330,1565
  rectangle: 700,1390 930,1565
  rectangle: 300,1390 525,1565
  lines w60: 1730,2570 1745,2570 1910,2405 1960,2405
  lines w80: 295.35,1750 295.35,1889.65 495,2089.29 495,2425 640,2570 930,2570 ; 690,1740 690,1885 895,2090 895,2370 1095,2570 ; 1095,1745 1095,1885 1330,2120 1330,2570
Bottom Solder:
  rectangle: 980,1625 1210,1875
  rectangle: 580,1625 810,1875
  rectangle: 180,1625 410,1875
  rectangle: 1555,2205 1805,2435
  rectangle: 1385,2465 1465,2485
  rectangle: 1400,2485 1600,2745
  rectangle: 75,2075 1465,2465
  rectangle: 1100,1390 1375,1565
  rectangle: 700,1390 975,1565
  rectangle: 300,1390 575,1565
  rectangle: 1845,1940 2005,2060